# KiCad board fmc_memory_adapter.kicad_pcb (continued)
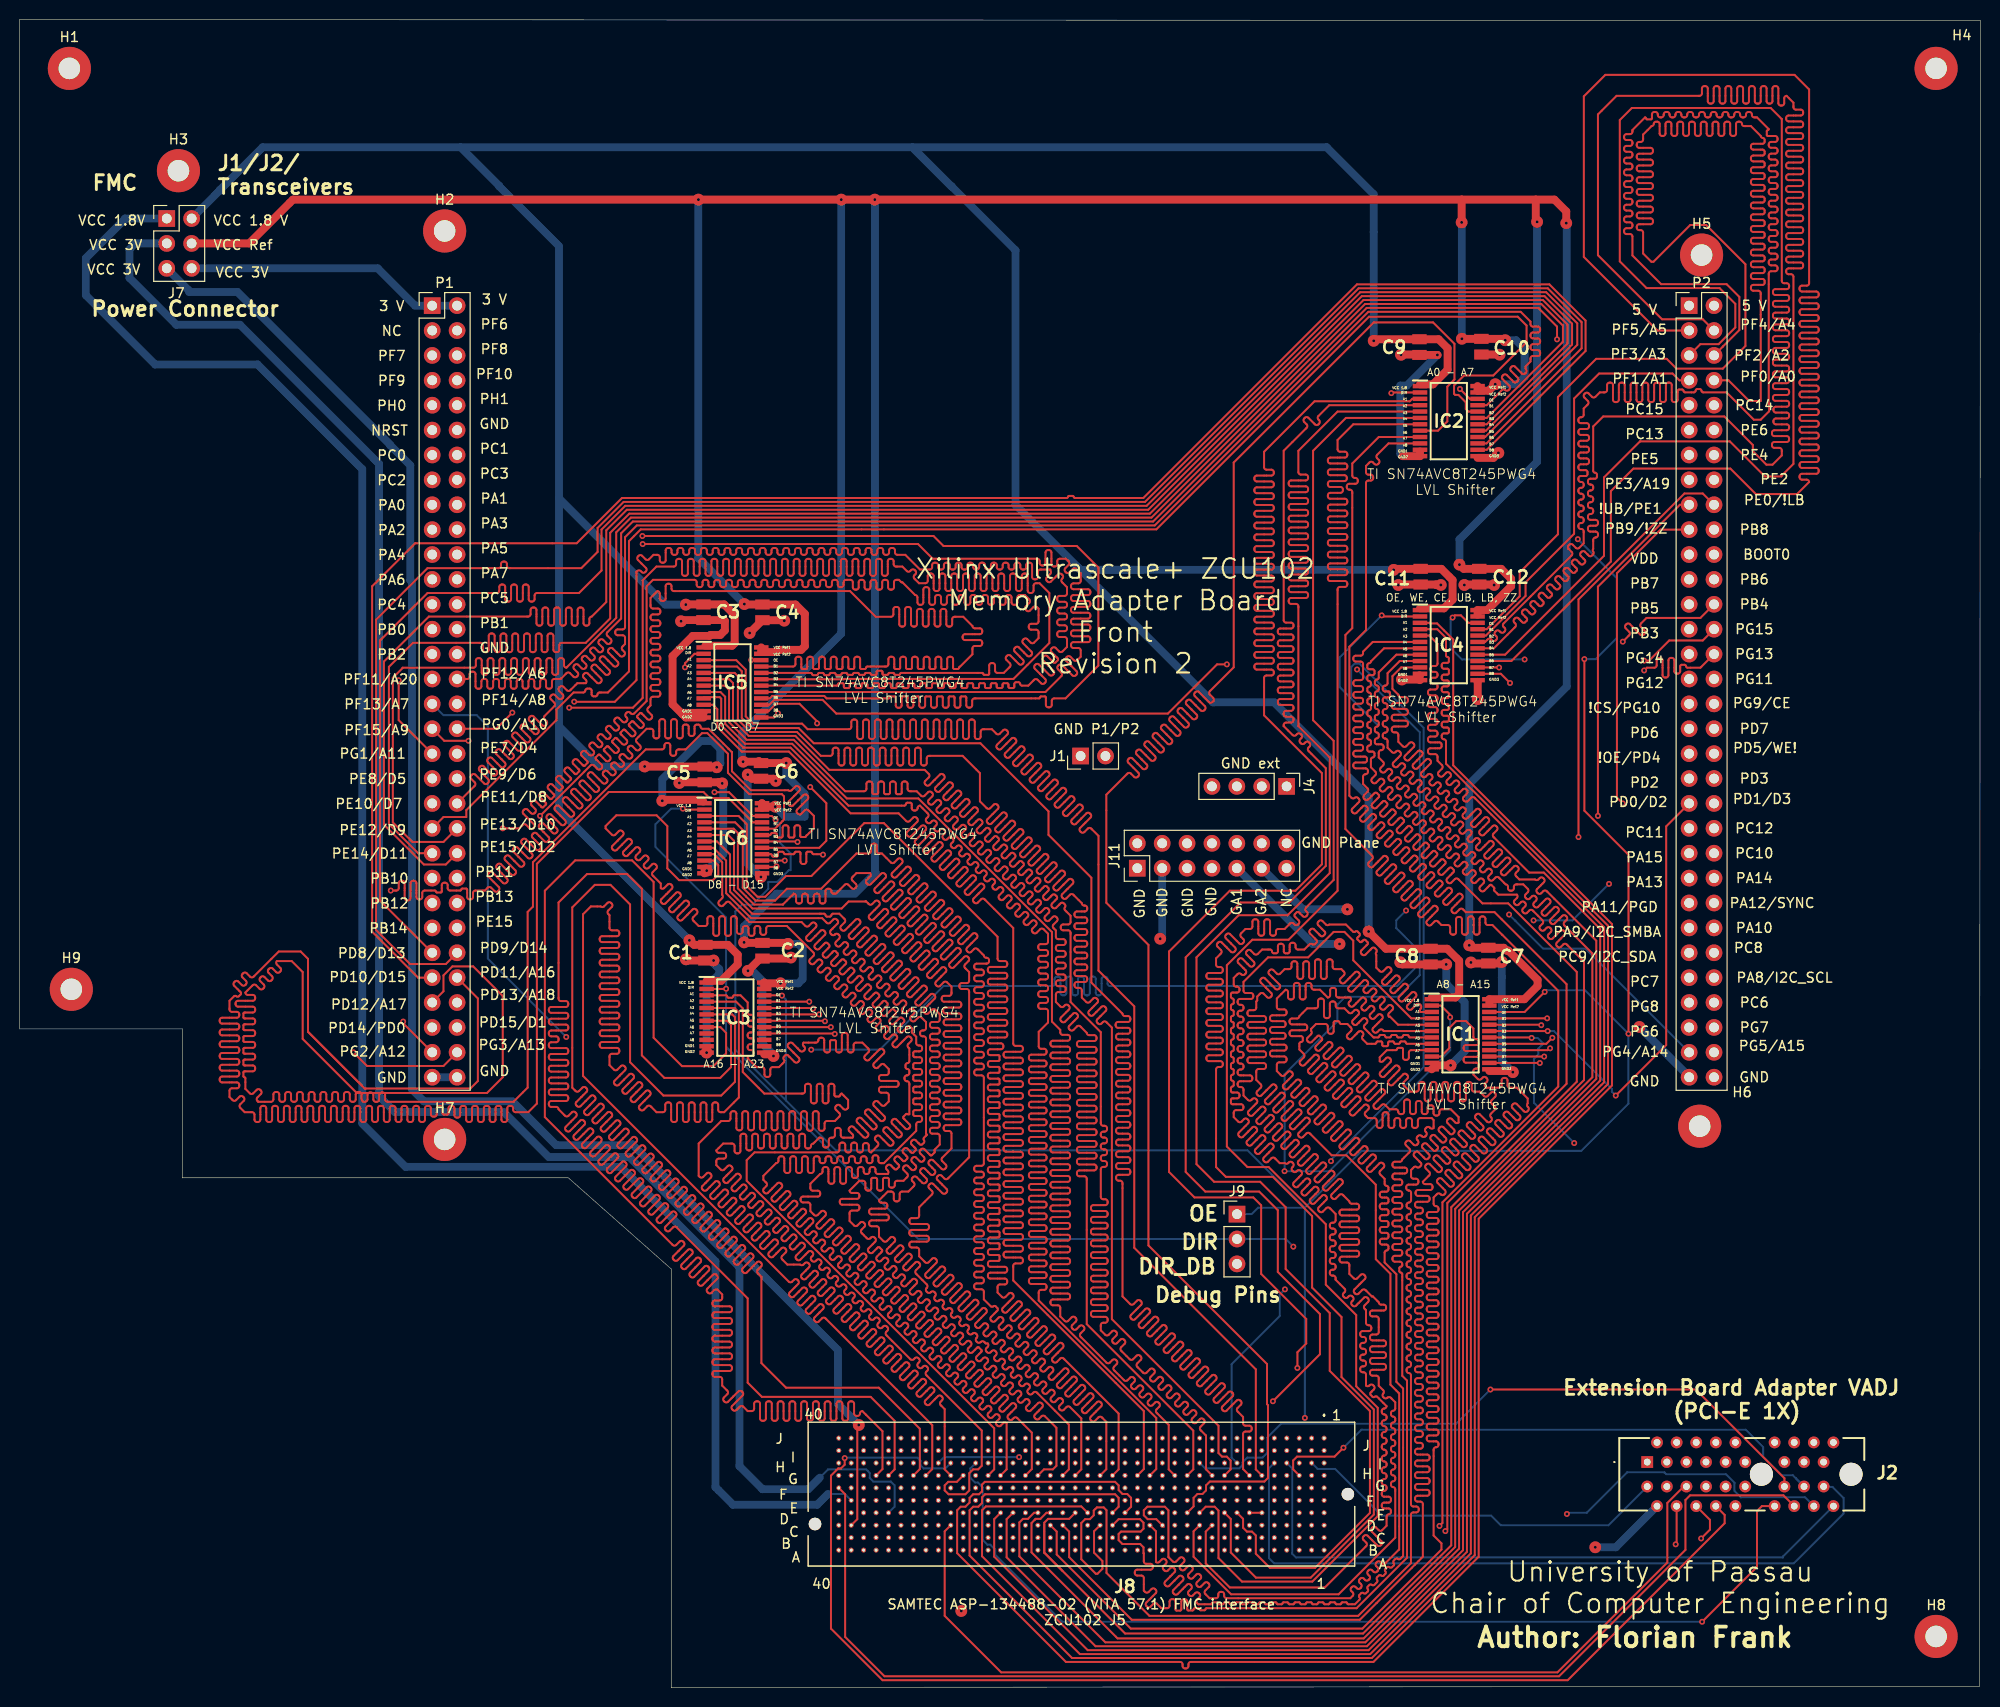
[diagram p0: board, top side]
## Routing (per net, layer and track width the routed paths; a pad name or vN(x,y) marks a point on that pad's centre or on a via; arc(x,y) is an arc through that point) (continued)
Net-(IC4-A3): length 200
  Top w0.2: IC4.5 143.86,107.34 144.7,106.5 144.7,104.48 arc(144.63,104.31) 144.46,104.24 144.22,104.24 arc(144.05,104.17) 143.98,104 143.98,103.88 arc(144.05,103.71) 144.22,103.64 144.46,103.64 arc(144.63,103.57) 144.7,103.4 144.7,103.28 arc(144.63,103.11) 144.46,103.04 144.22,103.04 arc(144.05,102.97) 143.98,102.8 143.98,102.68 arc(144.05,102.51) 144.22,102.44 144.46,102.44 arc(144.63,102.37) 144.7,102.2 144.7,102.08 arc(144.63,101.91) 144.46,101.84 143.97,101.84 arc(143.8,101.77) 143.73,101.6 143.73,101.48 arc(143.8,101.31) 143.97,101.24 144.46,101.24 arc(144.63,101.17) 144.7,101 144.7,100.88 arc(144.63,100.71) 144.46,100.64 143.97,100.64 arc(143.8,100.57) 143.73,100.4 143.73,100.28 arc(143.8,100.11) 143.97,100.04 144.46,100.04 arc(144.63,99.97) 144.7,99.8 144.7,99.68 arc(144.63,99.51) 144.46,99.44 143.97,99.44 arc(143.8,99.37) 143.73,99.2 143.73,99.08 arc(143.8,98.91) 143.97,98.84 144.46,98.84 arc(144.63,98.77) 144.7,98.6 144.7,98.48 arc(144.63,98.31) 144.46,98.24 143.97,98.24 arc(143.8,98.17) 143.73,98 143.73,97.88 arc(143.8,97.71) 143.97,97.64 144.46,97.64 arc(144.63,97.57) 144.7,97.4 144.7,97.28 arc(144.63,97.11) 144.46,97.04 143.97,97.04 arc(143.8,96.97) 143.73,96.8 143.73,96.68 arc(143.8,96.51) 143.97,96.44 144.91,96.44 arc(145.05,96.38) 145.11,96.23 145.11,96.04 arc(145.05,95.9) 144.91,95.84 143.97,95.84 arc(143.8,95.77) 143.73,95.6 143.73,95.48 arc(143.8,95.31) 143.97,95.24 144.46,95.24 arc(144.63,95.17) 144.7,95 144.7,94.57 145.16,94.11 arc(145.23,93.94) 145.16,93.77 144.81,93.42 arc(144.74,93.25) 144.81,93.08 144.9,93 arc(145.07,92.93) 145.24,93 145.58,93.34 arc(145.75,93.41) 145.92,93.34 146.01,93.26 arc(146.08,93.09) 146.01,92.92 145.66,92.57 arc(145.59,92.4) 145.66,92.23 145.75,92.15 arc(145.92,92.08) 146.09,92.15 146.43,92.49 arc(146.6,92.56) 146.77,92.49 146.86,92.41 arc(146.93,92.24) 146.86,92.07 146.51,91.72 arc(146.44,91.55) 146.51,91.38 146.6,91.3 arc(146.76,91.23) 146.93,91.3 147.28,91.65 arc(147.45,91.72) 147.62,91.65 147.71,91.56 arc(147.78,91.39) 147.71,91.22 147.36,90.87 arc(147.29,90.71) 147.36,90.54 147.44,90.45 arc(147.61,90.38) 147.78,90.45 148.13,90.8 arc(148.3,90.87) 148.47,90.8 150.2,89.07 161.7,77.57 161.7,61.76 161.42,61.48 148.1,48.16 148.1,13.67 137.83,3.4 108.2,3.4 98.22,13.38 98.22,18.08 98.61,18.47 108.35,18.47 J8.D20
Net-(IC4-A4): length 214.6
  Top w0.2: 104.57,16.6 104.57,16.81 104.96,17.2 107.11,17.2 J8.D21 ; 104.57,16.6 104.57,13.75 ; 104.57,16.6 104.57,13.75 ; 104.57,13.75 106.41,11.91 ; 104.57,13.75 106.41,11.91 ; 106.41,11.91 112.82,5.5 137.1,5.5 146.1,14.5 146.1,49 158.91,61.81 158.91,73.01 151.91,80.01 149.29,80.01 146.81,82.49 arc(146.64,82.56) 146.47,82.49 146.11,82.13 arc(145.94,82.06) 145.77,82.13 145.68,82.21 arc(145.61,82.38) 145.68,82.55 146.34,83.21 arc(146.39,83.33) 146.34,83.45 146.15,83.63 arc(146.03,83.68) 145.91,83.63 145.26,82.98 arc(145.09,82.91) 144.92,82.98 144.83,83.06 arc(144.76,83.23) 144.83,83.4 145.49,84.05 arc(145.54,84.18) 145.49,84.3 145.3,84.48 arc(145.18,84.53) 145.06,84.48 144.41,83.83 arc(144.24,83.75) 144.07,83.83 143.98,83.91 arc(143.91,84.08) 143.98,84.25 144.64,84.9 arc(144.69,85.02) 144.64,85.15 144.46,85.33 arc(144.34,85.38) 144.21,85.33 143.56,84.67 arc(143.39,84.6) 143.22,84.67 143.14,84.76 arc(143.07,84.93) 143.14,85.1 143.79,85.75 arc(143.84,85.87) 143.79,85.99 143.61,86.18 arc(143.49,86.23) 143.37,86.18 142.71,85.52 arc(142.54,85.45) 142.37,85.52 142.29,85.61 arc(142.22,85.78) 142.29,85.95 142.94,86.6 arc(142.99,86.72) 142.94,86.84 142.76,87.02 arc(142.64,87.07) 142.52,87.02 141.86,86.37 arc(141.69,86.3) 141.52,86.37 141.44,86.46 arc(141.37,86.63) 141.44,86.8 142.09,87.45 arc(142.14,87.57) 142.09,87.69 141.91,87.87 arc(141.79,87.92) 141.67,87.87 141.01,87.22 arc(140.85,87.15) 140.68,87.22 140.59,87.3 arc(140.52,87.47) 140.59,87.64 141.24,88.3 arc(141.29,88.42) 141.24,88.54 141.06,88.72 arc(140.94,88.77) 140.82,88.72 140.17,88.07 arc(140,88) 139.83,88.07 139.74,88.15 arc(139.67,88.32) 139.74,88.49 140.4,89.15 arc(140.45,89.27) 140.4,89.39 140.21,89.57 arc(140.09,89.62) 139.97,89.57 139.32,88.92 arc(139.15,88.85) 138.98,88.92 138.89,89 arc(138.82,89.17) 138.89,89.34 139.55,89.99 arc(139.6,90.12) 139.55,90.24 139.36,90.42 arc(139.24,90.47) 139.12,90.42 138.47,89.76 arc(138.3,89.69) 138.13,89.76 138.04,89.85 arc(137.97,90.02) 138.04,90.19 138.7,90.84 arc(138.75,90.96) 138.7,91.08 138.52,91.27 arc(138.4,91.32) 138.27,91.27 137.62,90.61 arc(137.45,90.54) 137.28,90.61 137.2,90.7 arc(137.13,90.87) 137.2,91.04 137.56,91.4 arc(137.63,91.57) 137.56,91.74 137.1,92.2 137.1,92.95 arc(137.17,93.12) 137.34,93.19 137.35,93.19 arc(137.52,93.26) 137.59,93.43 137.59,93.55 arc(137.52,93.72) 137.35,93.79 136.35,93.79 arc(136.18,93.86) 136.11,94.03 136.11,94.15 arc(136.18,94.32) 136.35,94.39 137.3,94.39 arc(137.43,94.45) 137.49,94.58 137.49,94.79 arc(137.43,94.93) 137.3,94.99 136.35,94.99 arc(136.18,95.06) 136.11,95.23 136.11,95.35 arc(136.18,95.52) 136.35,95.59 136.86,95.59 arc(137.03,95.66) 137.1,95.83 137.1,95.95 arc(137.03,96.12) 136.86,96.19 136.35,96.19 arc(136.18,96.26) 136.11,96.43 136.11,96.55 arc(136.18,96.72) 136.35,96.79 136.86,96.79 arc(137.03,96.86) 137.1,97.03 137.1,97.15 arc(137.03,97.32) 136.86,97.39 136.35,97.39 arc(136.18,97.46) 136.11,97.63 136.11,97.75 arc(136.18,97.92) 136.35,97.99 136.86,97.99 arc(137.03,98.06) 137.1,98.23 137.1,98.35 arc(137.03,98.52) 136.86,98.59 136.35,98.59 arc(136.18,98.66) 136.11,98.83 136.11,98.95 arc(136.18,99.12) 136.35,99.19 136.86,99.19 arc(137.03,99.26) 137.1,99.43 137.1,99.55 arc(137.03,99.72) 136.86,99.79 136.35,99.79 arc(136.18,99.86) 136.11,100.03 136.11,100.15 arc(136.18,100.32) 136.35,100.39 136.86,100.39 arc(137.03,100.46) 137.1,100.63 137.1,100.75 arc(137.03,100.92) 136.86,100.99 136.35,100.99 arc(136.18,101.06) 136.11,101.23 136.11,101.35 arc(136.18,101.52) 136.35,101.59 136.86,101.59 arc(137.03,101.66) 137.1,101.83 137.1,101.95 arc(137.03,102.12) 136.86,102.19 136.35,102.19 arc(136.18,102.26) 136.11,102.43 136.11,102.55 arc(136.18,102.72) 136.35,102.79 136.86,102.79 arc(137.03,102.86) 137.1,103.03 137.1,104.45 arc(137.03,104.62) 136.86,104.69 136.35,104.69 arc(136.18,104.76) 136.11,104.93 136.11,105.05 arc(136.18,105.22) 136.35,105.29 136.86,105.29 arc(137.03,105.36) 137.1,105.53 137.1,105.7 138.09,106.69 IC4.6
Net-(IC4-A5): length 202
  Top w0.2: J8.D23 104.79,17.82 104.17,17.2 103.69,17.2 ; 103.69,17.2 103.59,17.11 ; 103.69,17.2 103.59,17.11 ; 103.59,17.11 103.27,16.78 103.27,13.78 112.05,5 137.17,5 146.5,14.33 146.5,48.83 159.65,61.98 159.65,74.05 157.88,75.82 arc(157.71,75.89) 157.54,75.82 157.29,75.58 arc(157.13,75.51) 156.96,75.58 156.87,75.67 arc(156.8,75.83) 156.87,76 157.66,76.79 arc(157.73,76.96) 157.66,77.13 157.58,77.22 arc(157.41,77.29) 157.24,77.22 156.45,76.43 arc(156.28,76.36) 156.11,76.43 156.02,76.51 arc(155.95,76.68) 156.02,76.85 156.26,77.1 arc(156.34,77.27) 156.26,77.44 156.18,77.52 arc(156.01,77.59) 155.84,77.52 155.6,77.28 arc(155.43,77.21) 155.26,77.28 155.17,77.36 arc(155.1,77.53) 155.17,77.7 155.42,77.94 arc(155.49,78.11) 155.42,78.28 154.41,79.29 arc(154.24,79.36) 154.07,79.29 153.83,79.05 arc(153.66,78.97) 153.49,79.05 153.41,79.13 arc(153.34,79.3) 153.41,79.47 153.65,79.71 arc(153.72,79.88) 153.65,80.05 153.56,80.14 arc(153.39,80.21) 153.22,80.14 152.98,79.89 arc(152.81,79.82) 152.64,79.89 152.56,79.98 arc(152.49,80.15) 152.56,80.32 152.8,80.56 arc(152.87,80.73) 152.8,80.9 150.9,80.9 150.48,81.32 arc(150.45,81.39) 150.48,81.46 arc(150.51,81.53) 150.48,81.6 150.2,81.89 arc(150.13,81.92) 150.06,81.89 149.46,81.29 arc(149.29,81.22) 149.12,81.29 149.04,81.38 arc(148.97,81.55) 149.04,81.72 149.39,82.07 arc(149.46,82.24) 149.39,82.41 149.31,82.49 arc(149.14,82.56) 148.97,82.49 148.61,82.14 arc(148.45,82.07) 148.28,82.14 148.19,82.23 arc(148.12,82.4) 148.19,82.57 148.54,82.92 arc(148.61,83.09) 148.54,83.26 148.46,83.34 arc(148.29,83.41) 148.12,83.34 147.77,82.99 arc(147.6,82.92) 147.43,82.99 147.34,83.08 arc(147.27,83.25) 147.34,83.42 147.69,83.77 arc(147.76,83.94) 147.69,84.11 147.61,84.19 arc(147.44,84.26) 147.27,84.19 146.92,83.84 arc(146.75,83.77) 146.58,83.84 146.49,83.92 arc(146.42,84.09) 146.49,84.26 146.84,84.62 arc(146.92,84.79) 146.84,84.96 146.76,85.04 arc(146.59,85.11) 146.42,85.04 146.07,84.69 arc(145.9,84.62) 145.73,84.69 145.64,84.77 arc(145.57,84.94) 145.64,85.11 146,85.46 arc(146.07,85.63) 146,85.8 145.91,85.89 arc(145.74,85.96) 145.57,85.89 145.22,85.54 arc(145.05,85.47) 144.88,85.54 144.8,85.62 arc(144.73,85.79) 144.8,85.96 145.15,86.31 arc(145.22,86.48) 145.15,86.65 145.06,86.74 arc(144.89,86.81) 144.72,86.74 144.37,86.39 arc(144.2,86.32) 144.03,86.39 143.95,86.47 arc(143.88,86.64) 143.95,86.81 144.3,87.16 arc(144.37,87.33) 144.3,87.5 144.21,87.59 arc(144.04,87.66) 143.88,87.59 143.52,87.23 arc(143.35,87.16) 143.18,87.23 143.1,87.32 arc(143.03,87.49) 143.1,87.66 143.45,88.01 arc(143.52,88.18) 143.45,88.35 143.37,88.43 arc(143.2,88.5) 143.03,88.43 142.68,88.08 arc(142.51,88.01) 142.34,88.08 142.25,88.17 arc(142.18,88.34) 142.25,88.51 142.6,88.86 arc(142.67,89.03) 142.6,89.2 142.52,89.28 arc(142.35,89.35) 142.18,89.28 141.83,88.93 arc(141.66,88.86) 141.49,88.93 141.4,89.02 arc(141.33,89.19) 141.4,89.36 141.75,89.71 arc(141.82,89.88) 141.75,90.05 141.67,90.13 arc(141.5,90.2) 141.33,90.13 140.98,89.78 arc(140.81,89.71) 140.64,89.78 140.55,89.86 arc(140.48,90.03) 140.55,90.2 140.91,90.56 arc(140.98,90.73) 140.91,90.89 140.82,90.98 arc(140.65,91.05) 140.48,90.98 140.13,90.63 arc(139.96,90.56) 139.79,90.63 139.71,90.71 arc(139.63,90.88) 139.71,91.05 140.06,91.4 arc(140.13,91.57) 140.06,91.74 139.97,91.83 arc(139.8,91.9) 139.63,91.83 139.28,91.48 arc(139.11,91.41) 138.94,91.48 138.86,91.56 arc(138.79,91.73) 138.86,91.9 139.21,92.25 arc(139.28,92.42) 139.21,92.59 139.12,92.68 arc(138.95,92.75) 138.78,92.68 138.43,92.33 arc(138.26,92.25) 138.09,92.33 138.01,92.41 arc(137.94,92.58) 138.01,92.75 138.36,93.1 arc(138.43,93.27) 138.36,93.44 137.9,93.9 137.9,94.72 arc(137.95,94.85) 138.08,94.9 arc(138.21,94.95) 138.27,95.08 138.27,95.32 arc(138.21,95.45) 138.08,95.5 137.72,95.5 arc(137.59,95.55) 137.53,95.68 137.53,95.93 arc(137.59,96.06) 137.72,96.12 arc(137.85,96.17) 137.9,96.3 137.9,96.54 arc(137.85,96.67) 137.72,96.72 arc(137.59,96.77) 137.54,96.9 137.54,97.14 arc(137.59,97.27) 137.72,97.32 arc(137.85,97.37) 137.9,97.5 137.9,97.74 arc(137.85,97.87) 137.72,97.92 arc(137.59,97.97) 137.54,98.1 137.54,98.34 arc(137.59,98.47) 137.72,98.52 arc(137.85,98.57) 137.9,98.7 137.9,98.94 arc(137.85,99.07) 137.72,99.12 arc(137.59,99.17) 137.54,99.3 137.54,99.54 arc(137.59,99.67) 137.72,99.72 arc(137.85,99.77) 137.9,99.9 137.9,100.14 arc(137.85,100.27) 137.72,100.32 arc(137.59,100.37) 137.54,100.5 137.54,100.74 arc(137.59,100.87) 137.72,100.92 arc(137.85,100.97) 137.9,101.1 137.9,101.34 arc(137.85,101.47) 137.72,101.52 arc(137.59,101.57) 137.54,101.7 137.54,101.94 arc(137.59,102.07) 137.72,102.12 arc(137.85,102.17) 137.9,102.3 137.9,102.52 arc(137.85,102.65) 137.72,102.7 arc(137.59,102.75) 137.53,102.88 137.53,103.12 arc(137.59,103.25) 137.72,103.3 138.09,103.3 arc(138.22,103.35) 138.27,103.49 138.27,103.71 arc(138.22,103.85) 138.09,103.9 137.72,103.9 arc(137.59,103.95) 137.53,104.08 137.53,104.33 arc(137.59,104.46) 137.72,104.52 arc(137.85,104.57) 137.9,104.7 139.24,106.04 IC4.7
Net-(IC4-A6): length 200
  Top w0.2: J8.D24 103.52,17.82 102.9,17.2 102.39,17.2 102.03,16.84 102.03,13.37 110.8,4.6 137.33,4.6 146.9,14.17 146.9,48.67 160.5,62.27 160.5,74.9 157.64,77.76 arc(157.57,77.93) 157.64,78.1 157.87,78.32 arc(157.94,78.49) 157.87,78.66 157.78,78.75 arc(157.61,78.82) 157.44,78.75 156.65,77.96 arc(156.48,77.89) 156.32,77.96 156.23,78.04 arc(156.16,78.21) 156.23,78.38 157.02,79.17 arc(157.09,79.34) 157.02,79.51 156.93,79.59 arc(156.76,79.66) 156.6,79.59 155.81,78.8 arc(155.64,78.73) 155.47,78.8 155.38,78.89 arc(155.31,79.06) 155.38,79.23 156.17,80.02 arc(156.24,80.19) 156.17,80.36 156.09,80.44 arc(155.92,80.51) 155.75,80.44 154.96,79.65 arc(154.79,79.58) 154.62,79.65 154.53,79.74 arc(154.46,79.91) 154.53,80.08 154.76,80.3 arc(154.83,80.47) 154.76,80.64 154.67,80.73 arc(154.5,80.8) 154.33,80.73 154.11,80.5 arc(153.94,80.43) 153.77,80.5 153.68,80.59 arc(153.61,80.76) 153.68,80.93 153.91,81.15 arc(153.98,81.32) 153.91,81.49 153.45,81.95 152.73,81.95 arc(152.56,81.88) 152.49,81.71 152.49,81.54 arc(152.42,81.37) 152.25,81.3 152.13,81.3 arc(151.96,81.37) 151.89,81.54 151.89,81.71 arc(151.82,81.88) 151.65,81.95 150.95,82.65 arc(150.78,82.72) 150.61,82.65 150.35,82.39 arc(150.18,82.32) 150.01,82.39 149.93,82.47 arc(149.86,82.64) 149.93,82.81 150.19,83.07 arc(150.26,83.24) 150.19,83.41 150.11,83.49 arc(149.94,83.56) 149.77,83.49 149.51,83.23 arc(149.34,83.16) 149.17,83.23 149.08,83.32 arc(149.01,83.49) 149.08,83.66 149.34,83.92 arc(149.41,84.09) 149.34,84.26 149.26,84.34 arc(149.09,84.41) 148.92,84.34 148.66,84.08 arc(148.49,84.01) 148.32,84.08 148.23,84.17 arc(148.16,84.34) 148.23,84.51 148.49,84.77 arc(148.56,84.94) 148.49,85.11 148.41,85.19 arc(148.24,85.26) 148.07,85.19 147.81,84.93 arc(147.64,84.86) 147.47,84.93 147.38,85.02 arc(147.31,85.19) 147.38,85.36 147.64,85.62 arc(147.72,85.79) 147.64,85.96 147.56,86.04 arc(147.39,86.11) 147.22,86.04 146.96,85.78 arc(146.79,85.71) 146.62,85.78 146.54,85.86 arc(146.47,86.03) 146.54,86.2 146.8,86.46 arc(146.87,86.63) 146.8,86.8 146.71,86.89 arc(146.54,86.96) 146.37,86.89 146.11,86.63 arc(145.94,86.56) 145.77,86.63 145.69,86.71 arc(145.62,86.88) 145.69,87.05 145.95,87.31 arc(146.02,87.48) 145.95,87.65 145.86,87.74 arc(145.69,87.81) 145.52,87.74 145.26,87.48 arc(145.09,87.41) 144.92,87.48 144.84,87.56 arc(144.77,87.73) 144.84,87.9 145.1,88.16 arc(145.17,88.33) 145.1,88.5 145.01,88.59 arc(144.84,88.66) 144.68,88.59 144.41,88.33 arc(144.25,88.25) 144.08,88.33 143.99,88.41 arc(143.92,88.58) 143.99,88.75 144.25,89.01 arc(144.32,89.18) 144.25,89.35 144.17,89.43 arc(144,89.5) 143.83,89.43 143.57,89.17 arc(143.4,89.1) 143.23,89.17 143.14,89.26 arc(143.07,89.43) 143.14,89.6 143.4,89.86 arc(143.47,90.03) 143.4,90.2 143.32,90.28 arc(143.15,90.35) 142.98,90.28 142.72,90.02 arc(142.55,89.95) 142.38,90.02 142.29,90.11 arc(142.22,90.28) 142.29,90.45 142.55,90.71 arc(142.62,90.88) 142.55,91.05 142.47,91.13 arc(142.3,91.2) 142.13,91.13 141.87,90.87 arc(141.7,90.8) 141.53,90.87 141.44,90.96 arc(141.37,91.13) 141.44,91.3 141.71,91.56 arc(141.78,91.73) 141.71,91.89 141.62,91.98 arc(141.45,92.05) 141.28,91.98 141.02,91.72 arc(140.85,91.65) 140.68,91.72 140.6,91.8 arc(140.53,91.97) 140.6,92.14 140.86,92.4 arc(140.93,92.57) 140.86,92.74 140.77,92.83 arc(140.6,92.9) 140.43,92.83 140.17,92.57 arc(140,92.5) 139.83,92.57 139.75,92.65 arc(139.68,92.82) 139.75,92.99 140.01,93.25 arc(140.08,93.42) 140.01,93.59 139.92,93.68 arc(139.75,93.75) 139.58,93.68 139.32,93.42 arc(139.15,93.35) 138.98,93.42 138.9,93.5 arc(138.83,93.67) 138.9,93.84 139.16,94.1 arc(139.23,94.27) 139.16,94.44 138.7,94.9 138.7,95.41 arc(138.77,95.58) 138.94,95.65 138.96,95.65 arc(139.13,95.72) 139.2,95.89 139.2,96.01 arc(139.13,96.18) 138.96,96.25 138.5,96.25 arc(138.36,96.3) 138.3,96.44 138.3,96.65 arc(138.36,96.79) 138.5,96.85 arc(138.64,96.91) 138.7,97.05 138.7,97.25 arc(138.64,97.39) 138.5,97.45 arc(138.36,97.51) 138.3,97.65 138.3,97.85 arc(138.36,97.99) 138.5,98.05 arc(138.64,98.11) 138.7,98.25 138.7,98.45 arc(138.64,98.59) 138.5,98.65 arc(138.36,98.71) 138.3,98.85 138.3,99.05 arc(138.36,99.19) 138.5,99.25 arc(138.64,99.31) 138.7,99.45 138.7,99.65 arc(138.64,99.79) 138.5,99.85 arc(138.36,99.91) 138.3,100.05 138.3,100.25 arc(138.36,100.39) 138.5,100.45 arc(138.64,100.51) 138.7,100.65 138.7,100.85 arc(138.64,100.99) 138.5,101.05 arc(138.36,101.11) 138.3,101.25 138.3,101.45 arc(138.36,101.59) 138.5,101.65 arc(138.64,101.71) 138.7,101.85 138.7,102.05 arc(138.64,102.19) 138.5,102.25 arc(138.36,102.31) 138.3,102.45 138.3,102.65 arc(138.36,102.79) 138.5,102.85 arc(138.64,102.91) 138.7,103.05 138.7,103.59 140.5,105.39 IC4.8
Net-(IC4-A7): length 200
  Top w0.2: IC4.9 140.84,104.74 139.6,103.5 139.6,102.47 arc(139.53,102.3) 139.36,102.23 139.35,102.23 arc(139.18,102.16) 139.11,101.99 139.11,101.87 arc(139.18,101.7) 139.35,101.63 139.72,101.63 arc(139.8,101.6) 139.84,101.51 139.84,101.15 arc(139.8,101.07) 139.72,101.03 139.35,101.03 arc(139.18,100.96) 139.11,100.79 139.11,100.67 arc(139.18,100.5) 139.35,100.43 139.36,100.43 arc(139.53,100.36) 139.6,100.19 139.6,100.07 arc(139.53,99.9) 139.36,99.83 139.35,99.83 arc(139.18,99.76) 139.11,99.59 139.11,99.47 arc(139.18,99.3) 139.35,99.23 139.36,99.23 arc(139.53,99.16) 139.6,98.99 139.6,98.87 arc(139.53,98.7) 139.36,98.63 139.35,98.63 arc(139.18,98.56) 139.11,98.39 139.11,98.27 arc(139.18,98.1) 139.35,98.03 139.36,98.03 arc(139.53,97.96) 139.6,97.79 139.6,97.67 arc(139.53,97.5) 139.36,97.43 139.35,97.43 arc(139.18,97.36) 139.11,97.19 139.11,97.07 arc(139.18,96.9) 139.35,96.83 139.36,96.83 arc(139.53,96.76) 139.6,96.59 139.6,95.9 140.06,95.44 arc(140.23,95.37) 140.4,95.44 140.48,95.52 arc(140.65,95.59) 140.82,95.52 140.9,95.43 arc(140.97,95.26) 140.9,95.09 140.19,94.39 arc(140.12,94.22) 140.19,94.05 140.28,93.96 arc(140.45,93.89) 140.62,93.96 140.91,94.25 arc(141.08,94.32) 141.25,94.25 141.33,94.17 arc(141.4,94) 141.33,93.83 141.04,93.54 arc(140.97,93.37) 141.04,93.2 141.13,93.11 arc(141.3,93.04) 141.47,93.11 141.76,93.4 arc(141.93,93.47) 142.1,93.4 142.18,93.32 arc(142.25,93.15) 142.18,92.98 141.89,92.69 arc(141.82,92.52) 141.89,92.35 141.97,92.26 arc(142.14,92.19) 142.31,92.26 142.61,92.56 arc(142.77,92.63) 142.94,92.56 143.03,92.47 arc(143.1,92.3) 143.03,92.13 142.74,91.84 arc(142.67,91.67) 142.74,91.5 142.82,91.42 arc(142.99,91.35) 143.16,91.42 143.45,91.71 arc(143.62,91.78) 143.79,91.71 143.88,91.62 arc(143.95,91.45) 143.88,91.28 143.59,90.99 arc(143.52,90.82) 143.59,90.65 143.67,90.57 arc(143.84,90.5) 144.01,90.57 144.3,90.86 arc(144.47,90.93) 144.64,90.86 144.73,90.77 arc(144.8,90.6) 144.73,90.43 144.44,90.14 arc(144.37,89.97) 144.44,89.8 144.52,89.72 arc(144.69,89.65) 144.86,89.72 145.15,90.01 arc(145.32,90.08) 145.49,90.01 145.58,89.92 arc(145.65,89.76) 145.58,89.59 145.28,89.29 arc(145.21,89.12) 145.28,88.96 145.37,88.87 arc(145.54,88.8) 145.71,88.87 146,89.16 arc(146.17,89.23) 146.34,89.16 146.42,89.08 arc(146.49,88.91) 146.42,88.74 146.13,88.45 arc(146.06,88.28) 146.13,88.11 146.22,88.02 arc(146.39,87.95) 146.56,88.02 146.85,88.31 arc(147.02,88.38) 147.19,88.31 147.27,88.23 arc(147.34,88.06) 147.27,87.89 146.98,87.6 arc(146.91,87.43) 146.98,87.26 147.07,87.17 arc(147.24,87.1) 147.41,87.17 147.7,87.46 arc(147.87,87.53) 148.04,87.46 148.12,87.38 arc(148.19,87.21) 148.12,87.04 147.83,86.75 arc(147.76,86.58) 147.83,86.41 147.91,86.32 arc(148.08,86.25) 148.25,86.32 148.54,86.62 arc(148.71,86.69) 148.88,86.62 148.97,86.53 arc(149.04,86.36) 148.97,86.19 148.68,85.9 arc(148.61,85.73) 148.68,85.56 148.76,85.48 arc(148.93,85.41) 149.1,85.48 149.95,86.33 arc(150.12,86.4) 150.29,86.33 150.38,86.24 arc(150.45,86.07) 150.38,85.9 149.53,85.05 arc(149.46,84.88) 149.53,84.71 149.61,84.63 arc(149.78,84.56) 149.95,84.63 150.8,85.48 arc(150.97,85.55) 151.14,85.48 151.23,85.39 arc(151.3,85.22) 151.23,85.05 150.38,84.2 arc(150.3,84.03) 150.38,83.86 150.46,83.78 arc(150.63,83.71) 150.8,83.78 151.65,84.63 arc(151.82,84.7) 151.99,84.63 152.07,84.54 arc(152.14,84.38) 152.07,84.21 151.22,83.35 arc(151.15,83.19) 151.22,83.02 151.31,82.93 arc(151.48,82.86) 151.65,82.93 152.5,83.78 arc(152.67,83.85) 152.84,83.78 152.92,83.7 arc(152.99,83.53) 152.92,83.36 152.7,83.14 arc(152.63,82.97) 152.7,82.8 153.05,82.45 154.65,82.45 arc(154.82,82.38) 154.99,82.45 155.14,82.6 arc(155.31,82.67) 155.48,82.6 155.56,82.51 arc(155.63,82.34) 155.56,82.18 154.85,81.47 arc(154.78,81.3) 154.85,81.13 154.94,81.04 arc(155.11,80.97) 155.28,81.04 155.5,81.26 arc(155.67,81.33) 155.84,81.26 160.9,76.2 160.9,62.1 147.3,48.5 147.3,14 137.5,4.2 109.8,4.2 100.73,13.27 100.73,17.17 J8.D26
Net-(IC4-A8): length 200
  Top w0.2: J8.D27 99.46,17.17 99.46,13.34 109,3.8 137.66,3.8 147.7,13.84 147.7,48.34 155.33,55.97 155.34,55.97 161.3,61.92 161.3,77.4 155.55,83.15 154.05,83.15 150.41,86.79 arc(150.34,86.96) 150.41,87.13 150.76,87.48 arc(150.83,87.65) 150.76,87.82 150.67,87.9 arc(150.5,87.97) 150.33,87.9 149.44,87.01 arc(149.27,86.94) 149.1,87.01 149.01,87.09 arc(148.94,87.26) 149.01,87.43 149.91,88.33 arc(149.98,88.5) 149.91,88.67 149.82,88.75 arc(149.65,88.82) 149.48,88.75 148.59,87.86 arc(148.42,87.79) 148.25,87.86 148.16,87.94 arc(148.09,88.11) 148.16,88.28 149.06,89.18 arc(149.13,89.35) 149.06,89.52 148.98,89.6 arc(148.81,89.67) 148.64,89.6 147.74,88.71 arc(147.57,88.63) 147.4,88.71 147.32,88.79 arc(147.25,88.96) 147.32,89.13 147.52,89.34 arc(147.59,89.51) 147.52,89.68 147.44,89.76 arc(147.27,89.83) 147.1,89.76 146.89,89.55 arc(146.72,89.48) 146.55,89.55 146.47,89.64 arc(146.4,89.81) 146.47,89.98 146.68,90.19 arc(146.75,90.36) 146.68,90.52 146.59,90.61 arc(146.42,90.68) 146.25,90.61 146.04,90.4 arc(145.87,90.33) 145.7,90.4 145.62,90.49 arc(145.55,90.66) 145.62,90.83 145.83,91.03 arc(145.9,91.2) 145.83,91.37 145.74,91.46 arc(145.57,91.53) 145.4,91.46 145.19,91.25 arc(145.03,91.18) 144.86,91.25 144.77,91.34 arc(144.7,91.51) 144.77,91.68 144.98,91.88 arc(145.05,92.05) 144.98,92.22 144.89,92.31 arc(144.72,92.38) 144.55,92.31 144.35,92.1 arc(144.18,92.03) 144.01,92.1 143.92,92.18 arc(143.85,92.35) 143.92,92.52 144.13,92.73 arc(144.2,92.9) 144.13,93.07 144.04,93.16 arc(143.87,93.23) 143.71,93.16 143.5,92.95 arc(143.33,92.88) 143.16,92.95 143.07,93.03 arc(143,93.2) 143.07,93.37 143.97,94.27 arc(144.04,94.44) 143.97,94.61 143.88,94.69 arc(143.71,94.76) 143.55,94.69 142.65,93.8 arc(142.48,93.73) 142.31,93.8 142.22,93.88 arc(142.15,94.05) 142.22,94.22 143.12,95.12 arc(143.19,95.29) 143.12,95.46 143.04,95.54 arc(142.87,95.61) 142.7,95.54 141.8,94.64 arc(141.63,94.57) 141.46,94.64 141.38,94.73 arc(141.31,94.9) 141.38,95.07 142.27,95.97 arc(142.34,96.13) 142.27,96.3 142.19,96.39 arc(142.02,96.46) 141.85,96.39 141.5,96.04 arc(141.33,95.97) 141.16,96.04 140.7,96.5 140.7,97.22 arc(140.63,97.39) 140.46,97.46 140.27,97.46 arc(140.1,97.53) 140.03,97.7 140.03,97.82 arc(140.1,97.99) 140.27,98.06 141.43,98.06 arc(141.6,98.13) 141.67,98.3 141.67,98.42 arc(141.6,98.59) 141.43,98.66 140.27,98.66 arc(140.1,98.73) 140.03,98.9 140.03,99.02 arc(140.1,99.19) 140.27,99.26 141.43,99.26 arc(141.6,99.33) 141.67,99.5 141.67,99.62 arc(141.6,99.79) 141.43,99.86 140.27,99.86 arc(140.1,99.93) 140.03,100.1 140.03,100.22 arc(140.1,100.39) 140.27,100.46 141.43,100.46 arc(141.6,100.53) 141.67,100.7 141.67,100.82 arc(141.6,100.99) 141.43,101.06 140.94,101.06 arc(140.77,101.13) 140.7,101.3 140.1,101.9 140.1,103.2 140.99,104.09 IC4.10
Net-(IC4-B1): length 200
  Top w0.2: IC4.21 149.72,107.99 153.09,111.35 153.09,113.78 156.99,117.68 156.99,131.68 160.89,135.58 168.09,135.58 169.09,134.58 173.81,134.58 176.12,136.89 176.12,145.23 172.11,149.24 170.49,149.24 166.74,145.49 166.52,145.49 165.68,146.33 165.68,148.48 arc(165.61,148.64) 165.44,148.72 165.27,148.72 arc(165.1,148.79) 165.03,148.96 165.03,149.08 arc(165.1,149.24) 165.27,149.32 166.44,149.32 arc(166.61,149.39) 166.68,149.56 166.68,149.68 arc(166.61,149.84) 166.44,149.92 165.27,149.92 arc(165.1,149.99) 165.03,150.16 165.03,150.28 arc(165.1,150.44) 165.27,150.52 166.44,150.52 arc(166.61,150.59) 166.68,150.76 166.68,150.88 arc(166.61,151.04) 166.44,151.12 165.27,151.12 arc(165.1,151.19) 165.03,151.36 165.03,151.48 arc(165.1,151.64) 165.27,151.72 166.44,151.72 arc(166.61,151.79) 166.68,151.96 166.68,152.08 arc(166.61,152.24) 166.44,152.32 165.27,152.32 arc(165.1,152.39) 165.03,152.56 165.03,152.68 arc(165.1,152.84) 165.27,152.92 166.44,152.92 arc(166.61,152.99) 166.68,153.16 166.68,153.28 arc(166.61,153.44) 166.44,153.52 165.27,153.52 arc(165.1,153.59) 165.03,153.76 165.03,153.88 arc(165.1,154.04) 165.27,154.12 166.44,154.12 arc(166.61,154.19) 166.68,154.36 166.68,154.48 arc(166.61,154.64) 166.44,154.72 165.27,154.72 arc(165.1,154.79) 165.03,154.96 165.03,155.08 arc(165.1,155.24) 165.27,155.32 166.44,155.32 arc(166.61,155.39) 166.68,155.56 166.68,155.68 arc(166.61,155.84) 166.44,155.92 165.27,155.92 arc(165.1,155.99) 165.03,156.16 165.03,156.28 arc(165.1,156.44) 165.27,156.52 166.44,156.52 arc(166.61,156.59) 166.68,156.76 166.68,156.88 arc(166.61,157.04) 166.44,157.12 165.27,157.12 arc(165.1,157.19) 165.03,157.36 165.03,157.48 arc(165.1,157.64) 165.27,157.72 165.44,157.72 arc(165.61,157.79) 165.68,157.96 165.68,158.47 166.54,159.33 arc(166.7,159.4) 166.76,159.55 arc(166.83,159.71) 166.99,159.78 167.14,159.78 arc(167.3,159.71) 167.37,159.55 167.37,158.57 arc(167.44,158.4) 167.61,158.33 167.73,158.33 arc(167.89,158.4) 167.97,158.57 167.97,159.55 arc(168.03,159.71) 168.19,159.78 168.34,159.78 arc(168.5,159.71) 168.56,159.55 168.56,158.57 arc(168.64,158.4) 168.81,158.33 168.93,158.33 arc(169.09,158.4) 169.17,158.57 169.17,159.55 arc(169.23,159.71) 169.39,159.78 169.54,159.78 arc(169.7,159.71) 169.77,159.55 169.77,158.57 arc(169.84,158.4) 170.01,158.33 170.12,158.33 arc(170.29,158.4) 170.37,158.57 170.37,159.55 arc(170.43,159.71) 170.59,159.78 170.74,159.78 arc(170.9,159.71) 170.97,159.55 170.97,158.57 arc(171.04,158.4) 171.21,158.33 171.33,158.33 arc(171.49,158.4) 171.56,158.57 171.56,159.55 arc(171.63,159.71) 171.79,159.78 171.94,159.78 arc(172.1,159.71) 172.17,159.55 172.17,158.57 arc(172.24,158.4) 172.41,158.33 172.53,158.33 arc(172.69,158.4) 172.77,158.57 172.77,159.55 arc(172.83,159.71) 172.99,159.78 173.14,159.78 arc(173.3,159.71) 173.37,159.55 173.37,158.57 arc(173.44,158.4) 173.61,158.33 173.73,158.33 arc(173.89,158.4) 173.97,158.57 173.97,159.55 arc(174.03,159.71) 174.19,159.78 174.34,159.78 arc(174.5,159.71) 174.56,159.55 174.56,158.57 arc(174.64,158.4) 174.81,158.33 174.93,158.33 arc(175.09,158.4) 175.17,158.57 175.17,159.55 arc(175.23,159.71) 175.39,159.78 175.54,159.78 arc(175.7,159.71) 175.77,159.55 arc(175.83,159.4) 175.99,159.33 176.68,159.33 177.68,158.33 arc(177.74,158.19) 177.88,158.13 arc(178.02,158.07) 178.08,157.93 178.08,157.73 arc(178.02,157.59) 177.88,157.53 176.92,157.53 arc(176.75,157.46) 176.68,157.29 176.68,157.17 arc(176.75,157) 176.92,156.93 177.88,156.93 arc(178.02,156.87) 178.08,156.73 178.08,156.53 arc(178.02,156.39) 177.88,156.33 176.92,156.33 arc(176.75,156.26) 176.68,156.09 176.68,155.97 arc(176.75,155.8) 176.92,155.73 177.88,155.73 arc(178.02,155.67) 178.08,155.53 178.08,155.33 arc(178.02,155.19) 177.88,155.13 176.92,155.13 arc(176.75,155.06) 176.68,154.89 176.68,154.77 arc(176.75,154.6) 176.92,154.53 177.88,154.53 arc(178.02,154.47) 178.08,154.33 178.08,154.13 arc(178.02,153.99) 177.88,153.93 176.92,153.93 arc(176.75,153.86) 176.68,153.69 176.68,153.57 arc(176.75,153.4) 176.92,153.33 177.88,153.33 arc(178.02,153.27) 178.08,153.13 178.08,152.93 arc(178.02,152.79) 177.88,152.73 176.92,152.73 arc(176.75,152.66) 176.68,152.49 176.68,152.37 arc(176.75,152.2) 176.92,152.13 177.88,152.13 arc(178.02,152.07) 178.08,151.93 178.08,151.73 arc(178.02,151.59) 177.88,151.53 176.92,151.53 arc(176.75,151.46) 176.68,151.29 176.68,151.17 arc(176.75,151) 176.92,150.93 177.88,150.93 arc(178.02,150.87) 178.08,150.73 178.08,150.53 arc(178.02,150.39) 177.88,150.33 176.92,150.33 arc(176.75,150.26) 176.68,150.09 176.68,149.97 arc(176.75,149.8) 176.92,149.73 177.88,149.73 arc(178.02,149.67) 178.08,149.53 178.08,149.33 arc(178.02,149.19) 177.88,149.13 176.92,149.13 arc(176.75,149.06) 176.68,148.89 176.68,148.77 arc(176.75,148.6) 176.92,148.53 177.88,148.53 arc(178.02,148.47) 178.08,148.33 178.08,148.13 arc(178.02,147.99) 177.88,147.93 176.92,147.93 arc(176.75,147.86) 176.68,147.69 176.68,147.57 arc(176.75,147.4) 176.92,147.33 177.88,147.33 arc(178.02,147.27) 178.08,147.13 178.08,146.93 arc(178.02,146.79) 177.88,146.73 176.92,146.73 arc(176.75,146.66) 176.68,146.49 176.68,146.37 arc(176.75,146.2) 176.92,146.13 177.88,146.13 arc(178.02,146.07) 178.08,145.93 178.08,145.73 arc(178.02,145.59) 177.88,145.53 176.92,145.53 arc(176.75,145.46) 176.68,145.29 176.68,145.17 arc(176.75,145) 176.92,144.93 177.88,144.93 arc(178.02,144.87) 178.08,144.73 178.08,144.53 arc(178.02,144.39) 177.88,144.33 176.92,144.33 arc(176.75,144.26) 176.68,144.09 176.68,143.97 arc(176.75,143.8) 176.92,143.73 177.88,143.73 arc(178.02,143.67) 178.08,143.53 178.08,143.33 arc(178.02,143.19) 177.88,143.13 176.92,143.13 arc(176.75,143.06) 176.68,142.89 176.68,142.77 arc(176.75,142.6) 176.92,142.53 177.44,142.53 arc(177.61,142.46) 177.68,142.29 177.68,131.28 176.5,131.28 174.39,133.39 P2.8